# Altium PCB DAB_PCB.PcbDoc (part 1 of 3) (continued)
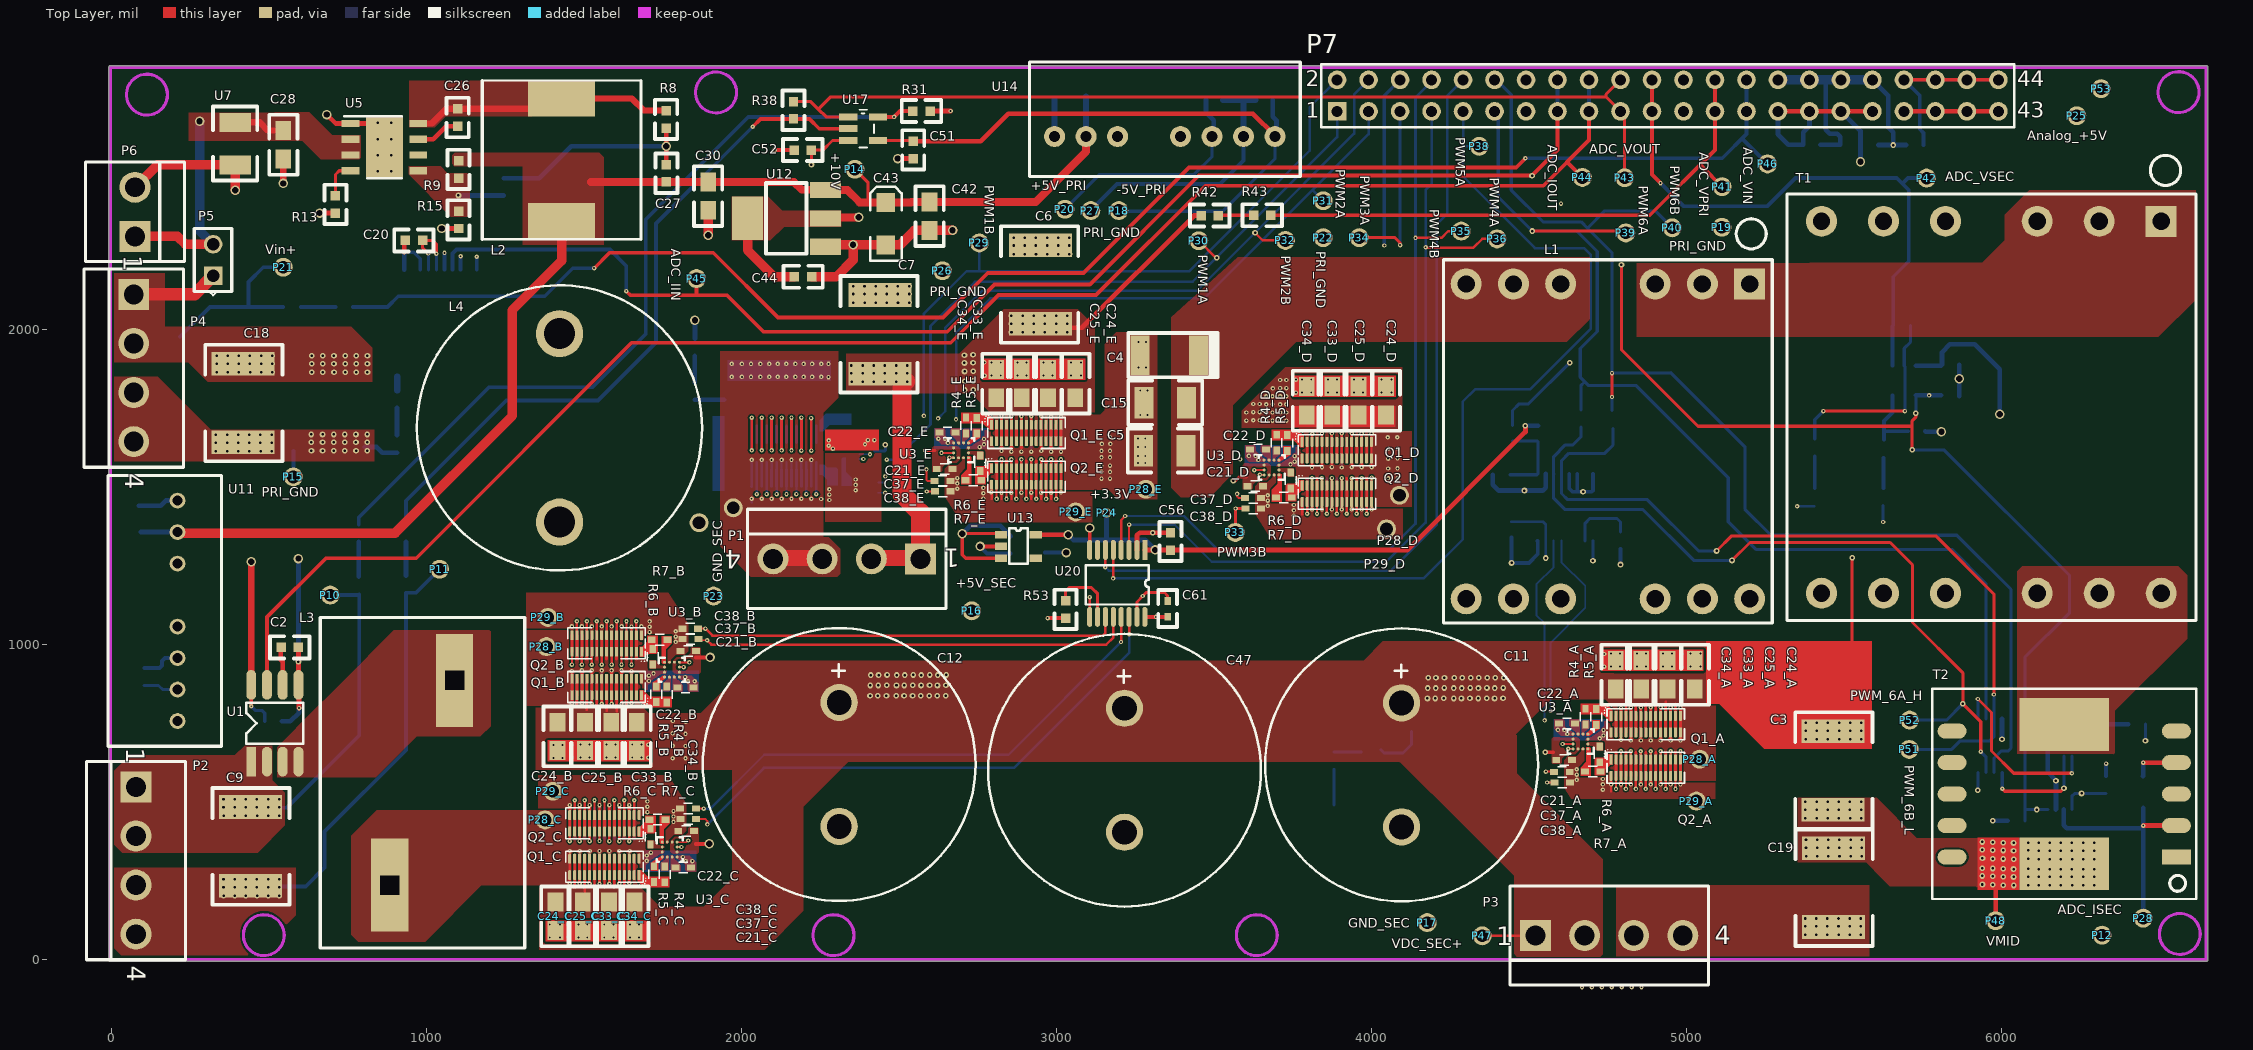
[diagram p0: Top Layer view]
## Components (designator, comment, footprint, x,y, rotation, side; value= is the part's Value field where it differs from the comment) (continued)
C34_F "1uF/100V/20%/0805/X7S" C0805 2238,1870 r270 bottom (schematic designator C34)
C35 "22uF/16V/20%/0805/X5R" C0805 86,1442 r270 bottom
C36 "22uF/10V/20%/0603/X5R" C0603 103,871 r90 bottom
C37_A "100pF/50V/5%/0402/C0G" C0402_FOR_DRIVER 4605,596 r180 top (schematic designator C37)
C37_B "100pF/50V/5%/0402/C0G" C0402_FOR_DRIVER 1837.92,1018.25 r0 top (schematic designator C37)
C37_C "100pF/50V/5%/0402/C0G" C0402_FOR_DRIVER 1830.92,447 r0 top (schematic designator C37)
C37_D "100pF/50V/5%/0402/C0G" C0402_FOR_DRIVER 3624,1466 r180 top (schematic designator C37)
C37_E "100pF/50V/5%/0402/C0G" C0402_FOR_DRIVER 2638,1520.5 r180 top (schematic designator C37)
C37_F "100pF/50V/5%/0402/C0G" C0402_FOR_DRIVER 2409.3,1758.6 r0 bottom (schematic designator C37)
C38_A "100pF/50V/5%/0402/C0G" C0402_FOR_DRIVER 4606,563 r180 top (schematic designator C38)
C38_B "100pF/50V/5%/0402/C0G" C0402_FOR_DRIVER 1836.92,1051.25 r0 top (schematic designator C38)
C38_C "100pF/50V/5%/0402/C0G" C0402_FOR_DRIVER 1829.92,480 r0 top (schematic designator C38)
C38_D "100pF/50V/5%/0402/C0G" C0402_FOR_DRIVER 3625,1433 r180 top (schematic designator C38)
C38_E "100pF/50V/5%/0402/C0G" C0402_FOR_DRIVER 2639,1487.5 r180 top (schematic designator C38)
C38_F "100pF/50V/5%/0402/C0G" C0402_FOR_DRIVER 2408,1483 r0 bottom (schematic designator C38)
C39 "22uF/10V/20%/0603/X5R" C0603 3632,2730 r0 bottom
C40 "22uF/10V/20%/0603/X5R" C0603 2963,1293 r90 bottom
C41 "22uF/16V/20%/0805/X5R" C0805 3093,2742 r180 bottom
C42 "22uF/16V/20%/0805/X5R" C0805 2597,2316 r90 top
C43 "10uF/16V/20%/Tantalum" "1206 _C" 2458,2405 r270 top
C44 "22uF/10V/20%/0603/X5R" C0603 2223,2169 r180 top
C45 "22uF/10V/20%/0603/X5R" C0603 2855,1290 r90 bottom
C46 "22uF/10V/20%/0603/X5R" C0603 3475,2730 r0 bottom
C47 "2.2mF/100V/22mm" VSN_P22 3216,798.7 r270 top
C51 "1uF/16V/20%/0603/X7R" C0603 2545,2544 r90 top
C52 "1uF/16V/20%/0603/X7R" C0603 2167,2571 r0 top
C53 "1uF/16V/20%/0603/X7R" C0603 4385,1540 r0 bottom
C54 "1uF/16V/20%/0603/X7R" C0603 5867,1789.25 r180 bottom
C55 "1uF/16V/20%/0603/X7R" C0603 5867,1889.25 r180 bottom
C56 "1uF/16V/20%/0603/X7R" C0603 3362,1356 r270 top
C57 "22uF/10V/20%/0603/X5R" C0603 5753,2587 r180 bottom
C58 "22uF/10V/20%/0603/X5R" C0603 5553,2586 r0 bottom
C59 "22uF/10V/20%/0603/X5R" C0603 5371,2588 r0 bottom
C60 "1uF/10V/0402/X5R/10%" C0402 4445,1391 r270 bottom
C61 "1uF/10V/0402/X5R/10%" C0402 3353,1139 r270 top
L1 "2.55uH/9.4A" PQ26/20 4751,1646 r0 top
L2 "68uH/3.2A" 68UH/3.2A 1428.48,2540 r0 top
L3 "VER2923-153" VER2923-153KL 986,562 r90 top
L4 "PCV-0-103-20L" PCV-0-103-20L 1422,1689 r270 top
P1 "644752_4/3.96mm" 644752-4P 2334.05,1273 r180 top
P2 "644752_4/3.96mm" 644752-4P 77,315 r270 top
P3 "644752_4/3.96mm" 644752-4P 4755,77 r0 top
P4 "644752_4/3.96mm" 644752-4P 70,1879 r270 top
P5 "Jumper/2.54" 2P_2.54MM 322,2222 r0 top
P6 "644752_2/3.96mm" 644752_2P 74,2374.95 r90 top
P7 "Header 22X2" HDR2X22 3891,2694 r0 top
P10 "Test_Point_0.5mm" Test_Point-0.5mm#1 694,1158 r180 top
P11 "Test_Point_0.5mm" Test_Point-0.5mm#1 1041,1240 r180 top
P12 "Test_Point_0.5mm" Test_Point-0.5mm#1 6320,78 r90 top
P14 "Test_Point_0.5mm" Test_Point-0.5mm#1 2360,2510 r90 top
P15 "Test_Point_0.5mm" Test_Point-0.5mm#1 577,1533 r90 top
P16 "Test_Point_0.5mm" Test_Point-0.5mm#1 2731,1108 r90 top
P17 "Test_Point_0.5mm" Test_Point-0.5mm#1 4177,118 r90 top
P18 "Test_Point_0.5mm" Test_Point-0.5mm#1 3198,2379 r90 top
P19 "Test_Point_0.5mm" Test_Point-0.5mm#1 5113,2326 r90 top
P20 "Test_Point_0.5mm" Test_Point-0.5mm#1 3027,2383 r90 top
P21 "Test_Point_0.5mm" Test_Point-0.5mm#1 545,2199 r90 top
P22 "Test_Point_0.5mm" Test_Point-0.5mm#1 3847,2293 r90 top
P23 "Test_Point_0.5mm" Test_Point-0.5mm#1 1911,1155 r90 top
P24 "Test_Point_0.5mm" Test_Point-0.5mm#2 3159,1419 r90 top
P25 "Test_Point_0.5mm" Test_Point-0.5mm#1 6240,2680 r90 top
P26 "Test_Point_0.5mm" Test_Point-0.5mm#1 2638,2188 r90 top
P27 "Test_Point_0.5mm" Test_Point-0.5mm#1 3109,2379 r90 top
P28 "Test_Point_0.5mm" Test_Point-0.5mm#1 6451,132 r90 top
P28_A "Test_Point_0.5mm" Test_Point-0.5mm#1 5042,637 r90 top (schematic designator P28)
P28_B "Test_Point_0.5mm" Test_Point-0.5mm#1 1380.57,994.35 r270 top (schematic designator P28)
P28_C "Test_Point_0.5mm" Test_Point-0.5mm#1 1376,444 r270 top (schematic designator P28)
P28_D "Test_Point_0.5mm" Test_Point-0.5mm#1 4089,1475 r90 top (schematic designator P28)
P28_E "Test_Point_0.5mm" Test_Point-0.5mm#1 3284,1494 r90 top (schematic designator P28)
P28_F "Test_Point_0.5mm" Test_Point-0.5mm#1 1865,1388 r90 bottom (schematic designator P28)
P29 "Test_Point_0.5mm" Test_Point-0.5mm#1 2755,2276 r90 top
P29_A "Test_Point_0.5mm" Test_Point-0.5mm#1 5032,504 r90 top (schematic designator P29)
P29_B "Test_Point_0.5mm" Test_Point-0.5mm#1 1385,1087 r270 top (schematic designator P29)
P29_C "Test_Point_0.5mm" Test_Point-0.5mm#1 1401,535 r270 top (schematic designator P29)
P29_D "Test_Point_0.5mm" Test_Point-0.5mm#1 4048,1368 r90 top (schematic designator P29)
P29_E "Test_Point_0.5mm" Test_Point-0.5mm#1 3061,1422 r90 top (schematic designator P29)
P29_F "Test_Point_0.5mm" Test_Point-0.5mm#1 1974,1435 r90 bottom (schematic designator P29)
P30 "Test_Point_0.5mm" Test_Point-0.5mm#1 3452,2283 r90 top
P31 "Test_Point_0.5mm" Test_Point-0.5mm#1 3847,2410 r90 top
P32 "Test_Point_0.5mm" Test_Point-0.5mm#1 3727,2284 r90 top
P33 "Test_Point_0.5mm" Test_Point-0.5mm#1 3568,1357 r90 top
P34 "Test_Point_0.5mm" Test_Point-0.5mm#1 3961.4,2293 r90 top
P35 "Test_Point_0.5mm" Test_Point-0.5mm#1 4285.38,2313.96 r90 top
P36 "Test_Point_0.5mm" Test_Point-0.5mm#1 4399,2289 r90 top
P38 "Test_Point_0.5mm" Test_Point-0.5mm#1 4342,2583 r90 top
P39 "Test_Point_0.5mm" Test_Point-0.5mm#1 4808,2308 r90 top
P40 "Test_Point_0.5mm" Test_Point-0.5mm#1 4955,2324 r90 top
P41 "Test_Point_0.5mm" Test_Point-0.5mm#1 5113.5,2454.78 r90 top
P42 "Test_Point_0.5mm" Test_Point-0.5mm#1 5763,2482 r90 top
P43 "Test_Point_0.5mm" Test_Point-0.5mm#1 4804,2483 r90 top
P44 "Test_Point_0.5mm" Test_Point-0.5mm#1 4670,2484 r90 top
P45 "Test_Point_0.5mm" Test_Point-0.5mm#1 1857,2163 r90 top
P46 "Test_Point_0.5mm" Test_Point-0.5mm#1 5258,2527 r90 top
P47 "Test_Point_0.5mm" Test_Point-0.5mm#1 4352,76 r90 top
P48 "Test_Point_0.5mm" Test_Point-0.5mm#1 5982,124 r180 top
P51 "Test_Point_0.5mm" Test_Point-0.5mm#1 5708,668 r180 top
P52 "Test_Point_0.5mm" Test_Point-0.5mm#1 5709,761 r180 top
P53 "Test_Point_0.5mm" Test_Point-0.5mm#1 6317,2766 r90 top
Q1_A "EPC2022" EPC2x40XL#1 4871.24,748.18 r0 top value="100V 60A 3.2mE" (schematic designator Q1)
Q1_B "EPC2022" EPC2x40XL#1 1571.69,866.07 r180 top value="100V 60A 3.2mE" (schematic designator Q1)
Q1_C "EPC2022" EPC2x40XL#1 1564.69,294.82 r180 top value="100V 60A 3.2mE" (schematic designator Q1)
Q1_D "EPC2022" EPC2x40XL#1 3890.24,1618.18 r0 top value="100V 60A 3.2mE" (schematic designator Q1)
Q1_E "EPC2022" EPC2x40XL#1 2904.24,1672.68 r0 top value="100V 60A 3.2mE" (schematic designator Q1)
Q1_F "EPC2022" EPC2x40XL#2 2142.76,1668.18 r180 bottom value="100V 60A 3.2mE" (schematic designator Q1)
Q2_A "EPC2022" EPC2x40XL#1 4871.24,609.82 r0 top value="100V 60A 3.2mE" (schematic designator Q2)
Q2_B "EPC2022" EPC2x40XL#1 1571.69,1004.43 r180 top value="100V 60A 3.2mE" (schematic designator Q2)
Q2_C "EPC2022" EPC2x40XL#1 1564.69,433.18 r180 top value="100V 60A 3.2mE" (schematic designator Q2)
Q2_D "EPC2022" EPC2x40XL#1 3890.24,1479.82 r0 top value="100V 60A 3.2mE" (schematic designator Q2)
Q2_E "EPC2022" EPC2x40XL#1 2904.24,1534.32 r0 top value="100V 60A 3.2mE" (schematic designator Q2)
Q2_F "EPC2022" EPC2x40XL#2 2142.76,1529.82 r180 bottom value="100V 60A 3.2mE" (schematic designator Q2)
R1 "100kohm/0603/0.1W/1%" R0603 906.25,1752.75 r90 bottom
R2 "11ohms/0805/0.5%/0.125" R0805 6450,577 r270 bottom
R3 "100kohm/0603/0.1W/1%" R0603 1851,1833 r270 bottom
R4_A "R0402" R0402_FOR_DRIVER 4680,772 r90 top (schematic designator R4)
R4_B "R0402" R0402_FOR_DRIVER 1762.92,842.25 r270 top (schematic designator R4)
R4_C "R0402" R0402_FOR_DRIVER 1755.92,271 r270 top (schematic designator R4)
R4_D "R0402" R0402_FOR_DRIVER 3699,1642 r90 top (schematic designator R4)
R4_E "R0402" R0402_FOR_DRIVER 2713,1696.5 r90 top (schematic designator R4)
R4_F "R0402" R0402_FOR_DRIVER 2334,1692 r90 bottom (schematic designator R4)
R5_A "R0402" R0402_FOR_DRIVER 4714,771 r90 top (schematic designator R5)
R5_B "R0402" R0402_FOR_DRIVER 1728.92,843.25 r270 top (schematic designator R5)
R5_C "R0402" R0402_FOR_DRIVER 1721.92,272 r270 top (schematic designator R5)
R5_D "R0402" R0402_FOR_DRIVER 3733,1641 r90 top (schematic designator R5)
R5_E "R0402" R0402_FOR_DRIVER 2747,1695.5 r90 top (schematic designator R5)
R5_F "R0402" R0402_FOR_DRIVER 2300,1691 r90 bottom (schematic designator R5)
R6_A "R0402" R0402_FOR_DRIVER 4725,652 r270 top (schematic designator R6)
R6_B "R0402" R0402_FOR_DRIVER 1717.92,962.25 r90 top (schematic designator R6)
R6_C "R0402" R0402_FOR_DRIVER 1710.92,391 r90 top (schematic designator R6)
R6_D "R0402" R0402_FOR_DRIVER 3744,1522 r270 top (schematic designator R6)
R6_E "R0402" R0402_FOR_DRIVER 2758,1576.5 r270 top (schematic designator R6)
R6_F "R0402" R0402_FOR_DRIVER 2289,1572 r270 bottom (schematic designator R6)
R7_A "R0402" R0402_FOR_DRIVER 4703,598 r0 top (schematic designator R7)
R7_B "R0402" R0402_FOR_DRIVER 1739.92,1016.25 r180 top (schematic designator R7)
R7_C "R0402" R0402_FOR_DRIVER 1732.92,445 r180 top (schematic designator R7)
R7_D "R0402" R0402_FOR_DRIVER 3722,1468 r0 top (schematic designator R7)
R7_E "R0402" R0402_FOR_DRIVER 2736,1522.5 r0 top (schematic designator R7)
R7_F "R0402" R0402_FOR_DRIVER 2311,1518 r180 bottom (schematic designator R7)
R8 "249kohm/0603/0.1W/1%" R0603 1760.48,2696 r270 top
R9 "732kohm/0603/0.1W/1%" R0603 1101.48,2482 r90 top
R13 "82.5kohm/0603/0.1W/1%" R0603 710.48,2371 r90 top
R15 "100kohm/0603/0.1W/1%" R0603 1101.48,2322 r90 top
R20 "0ohm/0603/0.1W" R0603 4665,1746 r270 bottom
R21 "0ohm/0603/0.1W" R0603 4764,1744 r270 bottom
R31 "10k/0603/0.125W/1%" R0603 2544,2695 r0 top
R32 "120kohm/1%/0.1w/0603" R0603 545,2073 r0 bottom
R33 "120kohm/1%/0.1w/0603" R0603 711,2073 r0 bottom
R36 "120kohm/1%/0.1w/0603" R0603 786.26,1160.5 r90 bottom
R37 "120kohm/1%/0.1w/0603" R0603 784.5,1326.99 r90 bottom
R38 "10k/0603/0.125W/1%" R0603 2165,2670 r90 top
R40 "120kohm/1%/0.1w/0603" R0603 934.26,1381.5 r270 bottom
R41 "120kohm/1%/0.1w/0603" R0603 934.26,1220.5 r270 bottom
R42 "120kohm/1%/0.1w/0603" R0603 3459,2363 r0 top
R43 "120kohm/1%/0.1w/0603" R0603 3626,2364 r0 top
R44 "0ohm/0402/0.063W" R0402 4448,1647 r90 bottom
R45 "0ohm/0402/0.063W" R0402 4529,1646 r90 bottom
R46 "4.7kOhms/0.1w/5%/0603" R0603 4791,1359 r270 bottom
R47 "10k/0603/0.125W/1%" R0603 5704,1678.25 r0 bottom
R48 "120kohm/1%/0.1w/0603" R0603 5626,1443 r90 bottom
R49 "120kohm/1%/0.1w/0603" R0603 5628,1596 r90 bottom
R50 "10k/0603/0.125W/1%" R0603 5712,2013.25 r180 bottom
R51 "120kohm/1%/0.1w/0603" R0603 5408,1654 r270 bottom
R52 "120kohm/1%/0.1w/0603" R0603 5408,1497 r270 bottom
R53 "4.7kOhms/0.1w/5%/0603" R0603 3029,1140 r270 top
R54 "100kohm/0603/0.1W/1%" R0603 3971,659 r0 bottom
R55 "100kohm/0603/0.1W/1%" R0603 906.25,1609.75 r90 bottom
R56 "100kohm/0603/0.1W/1%" R0603 1852,1973 r270 bottom
R57 "100kohm/0603/0.1W/1%" R0603 3881,605 r90 bottom
T1 "Transformer/PQ32/30" PQ32/30 5968.63,1754.45 r0 top
T2 "35A/50kHz_500kHz" 673-PB0026NLT 6200,526 r180 top
U1 "+-20A_100mv/A/0.8%/120kHz" SOIC8 518,751 r270 top
U2 "20A/200mv_A/0.5%/Unidirection/5Vcc/1MHz" CQ330E 1044,2041 r270 bottom
U3_A "LMG1205YFXR" YFX0012AHAP 4664,693 r180 top value=Value (schematic designator U3)
U3_B "LMG1205YFXR" YFX0012AHAP 1778.92,921.25 r0 top value=Value (schematic designator U3)
U3_C "LMG1205YFXR" YFX0012AHAP 1771.92,350 r0 top value=Value (schematic designator U3)
U3_D "LMG1205YFXR" YFX0012AHAP 3683,1563 r180 top value=Value (schematic designator U3)
U3_E "LMG1205YFXR" YFX0012AHAP 2697,1617.5 r180 top value=Value (schematic designator U3)
U3_F "LMG1205YFXR" YFX0012AHAP 2350,1613 r0 bottom value=Value (schematic designator U3)
U5 "LM5164DDAT" DDA0008E_N 866.13,2580.41 r0 top value=Value
U6 "Dual_Supply/8ns/Comparator" MSOP8 6186,562 r90 bottom
U7 "10uF/75V/10%/X7R/4.5A" C1210 392,2524 r90 top
U9 "74HCT2G08DP" MSOP8 5964,680 r270 bottom
U11 "12TO5/2W/Islation" SPAN02A-05 209,1458 r270 top
U12 "5V/800mA/Linear" SOT-223 2143.02,2354 r90 top
U13 "5V_3.3V/300mA/Linear" SOT23-5 2993.06,1666.73 r270 top
U14 "ITX1205S" ITX1205S 2994,2614 r0 top
U17 "LMV641MF/NOPB" SOT-23-5 2386,2639 r0 top
U18 "ISO7740FDBQR" DBQ0016A 4616,1437 r270 bottom
U19 "LMV641MF/NOPB" SOT-23-5 5692,1839.25 r270 bottom
U20 "ISO7740FDBQR" DBQ0016A 3193,1195 r270 top

## Footprints (in the part's own frame and the unit in brackets; to place one, negate y for a bottom-side part, rotate by r counter-clockwise, add the part's x,y. Pads: shape width x height; smd on the part's side, far side on the other; paste and mask are expansions set on the pad)
2P_2.54MM [mm]
  rect 1.5x1.5 hole 1: 1(0,-1.27)
  round 1.5 hole 1: 2(0,1.27)
  silkscreen extent -1.52,-2.86 1.5,2.54
68UH/3.2A [mm]
  rect 5.4x2.9 smd: 1(0,4.95) 2(0,-4.95)
  silkscreen extent -6.4,-6.4 6.4,6.4, body extent -6.13,-6.38 5.87,5.62, height 9.26
673-PB0026NLT [mm]
  rect 2.35x1.2 smd: 1(-9.042,5.08)
  oval 2.35x1.2 smd: 2(-9.042,2.54) 3(-9.042,0) 4(-9.042,-2.54) 5(-9.042,-5.08) 6(9.043,-5.08) 7(9.043,-2.54) 8(9.043,0) 9(9.043,2.54) 10(9.043,5.08)
  rect 7.24x4.25 smd: 11(0,5.62) 12(0,-5.62)
  silkscreen extent -10.65,-8.5 10.65,8.46
"1206 _C" [mil]
  rect 60x60 smd: 1(0,0) 2(135,0)
  silkscreen extent -50,-50 185,50
644752-4P [mm] "Pitch 3.96mm,4 positions"
  rect 2.5x2.5 hole 1.6: 1(-5.94,0)
  round 2.5 hole 1.6: 2(-1.98,0) 3(1.98,0) 4(5.94,0)
  silkscreen extent -8,-4 8,4, body extent -7.92,-3.81 7.92,3.81, height 10.16
644752_2P [mm]
  rect 2.5x2.5 hole 1.6: 1(-1.98,0)
  round 2.5 hole 1.6: 2(1.98,0)
  silkscreen extent -4.02,-4 4.02,4, body extent -3.99,-4.67 3.94,2.95, height 10.16
C0402 [mil]
  rect 25x20 smd: 1(0,0) 2(50,0)
  silkscreen extent -35,-30 82,30, body extent 5,-10 45,10, height 19
C0402_FOR_DRIVER [mil]
  rect 25x20 smd: 1(-25,0) 2(25,0)
  silkscreen extent -14,-17 14,17, body extent -20,-10 20,10, height 14
C0603 [mil]
  rect 30x30 smd: 1(0,0) 2(55,0)
  silkscreen extent -35,-35 90,35, body extent -6,-16 56,16
C0805 [mil]
  rect 60x50 smd: 1(0,0) 2(90,0)
  silkscreen extent -50,-45 140,45, body extent 5,-25 85,25, height 24
C1210 [mil]
  rect 60x100 smd: 1(0,0) 2(135,0)
  silkscreen extent -50,-70 185,70, body extent 7,-49 133,49, height 29
C1812 [mil]
  rect 60x125 smd: 1(-92.5,0) 2(92.5,0)
  silkscreen extent -130,-70 154,70, body extent -89,-63 89,63, height 47
C2220 [mil]
  rect 75x200 smd: 1(0,0) 2(250,0)
  silkscreen extent -60,-125 310,120, body extent 13,-98 237,98, height 88
CQ330E [mm]
  rect 1.42x1.65 smd: 1(-3.81,2.925) 8(-3.81,-2.925)
  rect 1.42x0.35 smd: 2(-3.81,1.625) 3(-3.81,0.975) 4(-3.81,0.325) 5(-3.81,-0.325) 6(-3.81,-0.975) 7(-3.81,-1.625)
  rect 1.42x3.6 smd: 9(3.81,-1.95) 10(3.81,1.95)
  silkscreen extent -2.68,-4.15 2.85,4.1
DBQ0016A [mm]
  rect 1.6x0.41 smd mask+0.05: 1(-2.7,2.223)
  oval 1.6x0.41 smd mask+0.05: 2(-2.7,1.588) 3(-2.7,0.953) 4(-2.7,0.318) 5(-2.7,-0.317) 6(-2.7,-0.952) 7(-2.7,-1.587) 8(-2.7,-2.222) 9(2.7,-2.223) 10(2.7,-1.588) 11(2.7,-0.953) 12(2.7,-0.318) 13(2.7,0.317) 14(2.7,0.952) 15(2.7,1.587) 16(2.7,2.222)
  silkscreen extent -1.48,-2.54 1.7,2.54, body extent -2.91,-2.45 3.11,2.45, height 0.62
DDA0008E_N [mm]
  rect 1.45x0.6 smd paste+0 mask+0: 1(-2.725,1.905) 2(-2.725,0.635) 3(-2.725,-0.635) 4(-2.725,-1.905) 5(2.725,-1.905) 6(2.725,-0.635) 7(2.725,0.635) 8(2.725,1.905)
  rect 2.95x4.9 smd paste-2.437 mask-2.438: 9(0,0)
  round 0.5 hole 0.203 mask-0.241: V(-0.55,-1.95) V(-0.55,-0.65) V(-0.55,0.65) V(-0.55,1.95) V(0.55,-1.95) V(0.55,-0.65) V(0.55,0.65) V(0.55,1.95)
  silkscreen extent -3.22,-2.5 1.4,2.5, body extent -3,-2.45 3,2.45, height 1.57
EPC2x40XL#1 [mm] "Gen 4 XL Die"
  rrect50% 0.241x0.794 smd paste+0 mask-0.274: 1(-2.8,0.665) 2(-2.8,-0.665) 3(-2.4,0.665) 4(-2.4,-0.665) 5(-2,0.665) 7(-1.6,0.665) 8(-1.6,-0.665) 10(-1.2,-0.665) 11(-0.8,0.665) 12(-0.8,-0.665) 13(-0.4,0.665) 14(-0.4,-0.665) 15(0,0.665) 16(0,-0.665) 17(0.4,0.665) 18(0.4,-0.665) 19(0.8,0.665) 20(0.8,-0.665) 21(1.2,0.665) 22(1.2,-0.665) 23(1.6,0.665) 24(1.6,-0.665) 25(2,0.665) 26(2,-0.665) 27(2.4,0.665) 28(2.4,-0.665) 29(2.8,0.665) 30(2.8,-0.665)
  rrect50% 0.241x0.794 smd paste+0 mask-0.24: 6(-2,-0.665)
  rrect50% 0.241x0.795 smd paste+0 mask-0.274: 9(-1.2,0.665)
  oval 0.18x0.7 on Top Solder paste-0.18 mask+0: ""(-2.8,0.665) ""(-2.8,-0.665) ""(-2.4,0.665) ""(-2.4,-0.665) ""(-2,0.665) ""(-2,-0.665) ""(-1.6,0.665) ""(-1.6,-0.665) ""(-1.2,0.665) ""(-1.2,-0.665) ""(-0.8,0.665) ""(-0.8,-0.665) ""(-0.4,0.665) ""(-0.4,-0.665) ""(0,0.665) ""(0,-0.665) ""(0.4,0.665) ""(0.4,-0.665) ""(0.8,0.665) ""(0.8,-0.665) ""(1.2,0.665) ""(1.2,-0.665) ""(1.6,0.665) ""(1.6,-0.665) ""(2,0.665) ""(2,-0.665) ""(2.4,0.665) ""(2.4,-0.665) ""(2.8,0.665) ""(2.8,-0.665)
  silkscreen extent -3.33,-1.25 3.13,1.45, body extent -3.03,-1.15 3.03,1.15, height 0.85
EPC2x40XL#2 [mm] "Gen 4 XL Die"
  rrect50% 0.241x0.794 smd paste+0 mask-0.274: 1(-2.8,0.665) 2(-2.8,-0.665) 3(-2.4,0.665) 4(-2.4,-0.665) 5(-2,0.665) 7(-1.6,0.665) 8(-1.6,-0.665) 10(-1.2,-0.665) 11(-0.8,0.665) 12(-0.8,-0.665) 13(-0.4,0.665) 14(-0.4,-0.665) 15(0,0.665) 16(0,-0.665) 17(0.4,0.665) 18(0.4,-0.665) 19(0.8,0.665) 20(0.8,-0.665) 21(1.2,0.665) 22(1.2,-0.665) 23(1.6,0.665) 24(1.6,-0.665) 25(2,0.665) 26(2,-0.665) 27(2.4,0.665) 28(2.4,-0.665) 29(2.8,0.665) 30(2.8,-0.665)
  rrect50% 0.241x0.794 smd paste+0 mask-0.24: 6(-2,-0.665)
  rrect50% 0.241x0.795 smd paste+0 mask-0.274: 9(-1.2,0.665)
  oval 0.18x0.7 on Bottom Solder paste-0.18 mask+0: ""(-2.8,0.665) ""(-2.8,-0.665) ""(-2.4,0.665) ""(-2.4,-0.665) ""(-2,0.665) ""(-2,-0.665) ""(-1.6,0.665) ""(-1.6,-0.665) ""(-1.2,0.665) ""(-1.2,-0.665) ""(-0.8,0.665) ""(-0.8,-0.665) ""(-0.4,0.665) ""(-0.4,-0.665) ""(0,0.665) ""(0,-0.665) ""(0.4,0.665) ""(0.4,-0.665) ""(0.8,0.665) ""(0.8,-0.665) ""(1.2,0.665) ""(1.2,-0.665) ""(1.6,0.665) ""(1.6,-0.665) ""(2,0.665) ""(2,-0.665) ""(2.4,0.665) ""(2.4,-0.665) ""(2.8,0.665) ""(2.8,-0.665)
  silkscreen extent -3.33,-1.25 3.13,1.45, body extent -3.03,-1.15 3.03,1.15, height 0.85
HDR2X22 [mm] "Connector; Header; 22x2 Position"
  rect 1.5x1.5 hole 0.9: 1(0,0)
  round 1.5 hole 0.9: 2(0,2.54) 3(2.54,0) 4(2.54,2.54) 5(5.08,0) 6(5.08,2.54) 7(7.62,0) 8(7.62,2.54) 9(10.16,0) 10(10.16,2.54) 11(12.7,0) 12(12.7,2.54) 13(15.24,0) 14(15.24,2.54) 15(17.78,0) 16(17.78,2.54) 17(20.32,0) 18(20.32,2.54) 19(22.86,0) 20(22.86,2.54) 21(25.4,0) 22(25.4,2.54) 23(27.94,0) 24(27.94,2.54) 25(30.48,0) 26(30.48,2.54) 27(33.02,0) 28(33.02,2.54) 29(35.56,0) 30(35.56,2.54) 31(38.1,0) 32(38.1,2.54) 33(40.64,0) 34(40.64,2.54) 35(43.18,0) 36(43.18,2.54) 37(45.72,0) 38(45.72,2.54) 39(48.26,0) 40(48.26,2.54) 41(50.8,0) 42(50.8,2.54) 43(53.34,0) 44(53.34,2.54)
  silkscreen extent -1.27,-1.27 54.61,3.81, body extent -1.02,-0.22 55.37,12.67, height 2.48
ITX1205S [mm]
  round 1.7 hole 0.9: 1(0,0) 2(2.54,0) 3(5.08,0) 5(10.16,0) 6(12.7,0) 7(15.24,0) 8(17.78,0)
  silkscreen extent -2.03,-3.23 19.84,6
MSOP8 [mil]
  rrect50% 72x15 smd mask+4: 1(-85,38.39) 2(-85,12.8) 3(-85,-12.8) 4(-85,-38.39) 5(85,-38.39) 6(85,-12.8) 7(85,12.8) 8(85,38.39)
  silkscreen extent -63,-60 63,63
PCV-0-103-20L [mm]
  round 3.8 hole 2.5: 1(-7.6,0) 2(7.6,0)
  silkscreen extent -11.5,-11.5 11.5,11.5, body extent -9.55,-9.63 9.55,9.47, height 45.7
PQ26/20 [mm]
  round 2.5 hole 1.4: 1(3.81,12.7) 1(7.62,12.7) 2(-11.43,12.7) 2(-7.62,12.7) 2(-3.81,12.7) 3(-11.43,-12.7) 3(-7.62,-12.7) 3(-3.81,-12.7) 4(3.81,-12.7) 4(7.62,-12.7) 4(11.43,-12.7)
  rect 2.5x2.5 hole 1.4: 1(11.43,12.7)
  silkscreen extent -13.25,-14.65 13.25,17.95
PQ32/30 [mm]
  round 2.5 hole 1.4: 1(3.7,15) 1(8.7,15) 2(-13.7,15) 2(-8.7,15) 2(-3.7,15) 3(-13.7,-15) 3(-8.7,-15) 3(-3.7,-15) 4(3.7,-15) 4(8.7,-15) 4(13.7,-15)
  rect 2.5x2.5 hole 1.4: 1(13.7,15)
  silkscreen extent -16.48,-17.2 16.5,20.31
R0402 [mil]
  rect 25x20 smd: 1(0,0) 2(50,0)
  silkscreen extent -35,-30 82,30, body extent 5,-10 45,10, height 14
R0402_FOR_DRIVER [mil]
  rect 25x20 smd: 1(-25,0) 2(25,0)
  silkscreen extent -14,-17 14,17, body extent -20,-10 20,10, height 14
R0603 [mil]
  rect 30x30 smd: 1(0,0) 2(55,0)
  silkscreen extent -35,-35 90,35, body extent -6,-16 56,16, height 18
R0805 [mil]
  rect 60x50 smd: 1(0,0) 2(90,0)
  silkscreen extent -50,-45 140,45, body extent 1,-25 79,25, height 18
SOIC8 [mm]
  rect 2.4x0.8 smd: 1(3.1,-1.905)
  oval 2.4x0.8 smd: 2(3.1,-0.635) 3(3.1,0.635) 4(3.1,1.905) 5(-3.1,1.905) 6(-3.1,0.635) 7(-3.1,-0.635) 8(-3.1,-1.905)
  silkscreen extent -1.65,-2.3 1.65,2.3, body extent -3,-2.45 3,2.45, height 1.7
SOT23-5 [mm]
  rect 0.6x1 smd: 1(8.05,-4.3) 2(9,-4.3) 3(9.95,-4.3) 4(9.95,-1.5) 5(8.05,-1.5)
  silkscreen extent 7.55,-3.65 10.4,-2.15, body extent 7.57,-4.32 10.47,-1.52
SOT-23-5 [mil]
  rect 58x22 smd: 1(-47,37.4) 2(-47,0) 3(-47,-37.4) 4(47,-37.4) 5(47,37.4)
  silkscreen extent -12,-60 34,60, body extent -60,-58 52,57, height 41
SOT-223 [mm]
  rect 1.3x2.5 smd: 1(-2.286,-3.15) 2(0,-3.15) 3(2.286,-3.15)
  rect 3.5x2.5 smd: 2(0,3.15)
  silkscreen extent -2.85,-1.6 2.85,1.65, body extent -3.25,-3.25 3.25,3.75, height 1.65
SPAN02A-05 [mil]
  round 50 hole 32: 1(0,0) 2(100,0) 3(200,0) 5(400,0) 6(500,0) 7(600,0) 8(700,0)
  silkscreen extent -80,-221 780,140
Test_Point-0.5mm#1 [mil] "Test point pad"
  round 60 hole 40.16: 1(0,0)
Test_Point-0.5mm#2 [mil] "Test point pad"
  round 31.5 hole 19.68: 1(0,0)
VER2923-153KL [mm]
  rect 7.5x3 hole 1.54 square: 1(-8.255,2.615) 2(8.255,-2.615)
  silkscreen extent -13.33,-8.27 13.33,8.23, body extent -13.64,-8.54 13.79,8.43, height 22.74
VSN_P22 [mm]
  round 3 hole 2: 1(0,0) 2(10,0)
  silkscreen extent -6,-11 16,11, body extent -6.32,-10.49 15.67,11.5, height 42.03
YFX0012AHAP [mm]
  round 0.23 smd paste-0.102 mask+0.038: A1(-0.6,0.6) A2(-0.2,0.6) A3(0.2,0.6) A4(0.6,0.6) B1(-0.6,0.2) B4(0.6,0.2) C1(-0.6,-0.2) C4(0.6,-0.2) D1(-0.6,-0.6) D2(-0.2,-0.6) D3(0.2,-0.6) D4(0.6,-0.6)
  silkscreen extent -1.05,-0.97 1.05,0.97, body extent -0.95,-0.88 0.95,0.88, height 3

## Part data
C1 C20 C23 C31 C32 C51 C52 C53 C54 C55 C56: "1276-6524-1-ND", =1uF/16V/0603
C2: "311-1080-1-ND", =1nF/50V
C3 C13 C14 C19: "C5750X7S2A106K230KB", =10uF/100V/5A
C4: "445-15480-1-ND", =100nF/4A/30PPM/C0G
C5 C15: "445-15461-1-ND", =47nF/250V/30PPM
C6 C7: "445-C5750X7S2A226M280KBCT-ND", =22uF/100V/6.2A
C8 C9: "445-7775-1-ND", =2.2uF/250V/4A
C11 C12 C47: "565-2707-ND", =2.2mF/100V
C16 C17 C18: "CKG57NX7S2A226M500JH", =22uF/3.7A
C21_A C21_B C21_C C21_D C21_E C21_F C60 C61: "311-1439-1-ND", =1uF/10V/0402
C22_A C22_B C22_C C22_D C22_E C22_F: "GRM155R62A104KE14D", =100nF/100V
C24_A C24_B C24_C C24_D C24_E C24_F C25_A C25_B C25_C C25_D C25_E C25_F C33_A C33_B C33_C C33_D C33_E C33_F C34_A C34_B C34_C C34_D C34_E C34_F: "445-5206-1-ND", =1uF/100V/0805
C26 C27: "399-7880-1-ND", =2.2nF/100V
C28: "490-3326-1-ND", =0.47uF/100V/0805
C29: "399-16021-1-ND", =47pF/100V
C30 C35 C41 C42: "490-9952-1-ND", =22uF/16V/0805
C36 C39 C40 C44 C45 C46 C57 C58 C59: "1276-6504-1-ND", =22uF/10V/0603
C37_A C37_B C37_C C37_D C37_E C37_F C38_A C38_B C38_C C38_D C38_E C38_F: "311-1024-1-ND", =100pF/0402
C43: "478-3451-1-ND", =10uF
L1: "445-180846-ND/495-75904-ND", =2.55uH/9.4A
L2: "732-1247-1-ND", =68uH/3.2A
L3: "VER2923-153KL", =15uH/20A
P1 P2 P3 P4: "A24166-ND", =644752_4P
P6: "A24164-ND", =644752_2P
P7: "Header, 22-Pin, Dual row", LatestRevisionDate=17-Jul-2002, LatestRevisionNote="Re-released for DXP Platform.", Publisher="Altium Limited"
Q1_A Q1_B Q1_C Q1_D Q1_E Q1_F Q2_A Q2_B Q2_C Q2_D Q2_E Q2_F: "100V 60A 3.2mE", Supplier Part Number 1=917-1133-2-ND, MFG=EPC, MFGPN=EPC2022, PCBfootprint=eGaNPAK, Supplier 1=Digi-Key, Supplier 2=Digi-Key, Supplier 3=Digi-Key, Supplier Part Number 2=917-1133-1-ND, Supplier Part Number 3=917-1133-6-ND
R1 R3 R15 R54 R55 R56 R57: "541-100KHCT-ND", =100kohm/1%
R2: "P123887CT-ND", =11ohms
R4_A R4_B R4_C R4_D R4_E R4_F R5_A R5_B R5_C R5_D R5_E R5_F R6_A R6_B R6_C R6_D R6_E R6_F R7_A R7_B R7_C R7_D R7_E R7_F: "Resistor"
R8: "541-249KHCT-ND", =249kohm/1%
R9: "311-732KHRCT-ND", =732kohm/1%
R13: "541-82.5KHCT-ND", =82.5kohm/1%
R20 R21: "P0.0GCT-ND", =NC
R31 R38 R47 R50: "RNCP0603FTD10K0CT-ND", =10k/1%/0603
R32 R33 R36 R37 R40 R41 R42 R43 R48 R49 R51 R52: "YAG3352CT-ND", =120k/0603/1%
R44 R45: "311-0.0JRCT-ND", =0ohm/0402
R46 R53: "311-4.7KGRCT-ND", =4.7kOhms
T1: "445-180849-ND;;495-5330-ND"
T2: "673-PB0026NLT", =100:1
U1: "ACS724LLCTR-20AB-T", =20A_100mv/A
U2: "974-1138-1-ND", =20A/1MHZ
U3_A U3_B U3_C U3_D U3_E U3_F: "No Description Available", Manufacturer="Texas Instruments", Copyright="Copyright (C) 2018 Accelerated Designs. All rights reserved", PartNumber=LMG1205YFXR, RefDes=RefDes, Type=DEV
U5: "296-53428-1-ND", Manufacturer="Texas Instruments", Copyright="Copyright (C) 2018 Accelerated Designs. All rights reserved", PartNumber=LM5164DDAT, RefDes=RefDes, Type=DEV
U6: "LT1713CMS8#TRPBFCT-ND", =Compa/8ns
U7: "445-C3225X7R1N106K250ACCT-ND", =10uF/75V/4.5A
U9: "1727-5969-2-ND", =AND_GATE_TTL
U11: "1866-4765-ND"
U12: "LM1117MPX-5.0/NOPBCT-ND"
U13: "576-4764-1-ND"
U14: "1470-2533-5-ND", =10V_TO_+/-5V/6W
U17 U19: "296-48929-1-ND"
U18 U20: "296-48139-1-ND"
L4: =10uH
P5: =Jumper

## Via types
v1: diameter 14, hole 6, Top Layer to Bottom Layer, tented both sides, 440 vias
v2: diameter 18, hole 8, Top Layer to Bottom Layer, 287 vias
v3: diameter 14, hole 6, Top Layer to Bottom Layer, 148 vias
v4: diameter 18, hole 8, Top Layer to Bottom Layer, tented both sides, 136 vias
v5: diameter 30, hole 20, Top Layer to Bottom Layer, tented both sides, 27 vias
v6: diameter 18, hole 8, Top Layer to Bottom Layer, tented top, 1 vias

## Nets (pads, with @x,y where several pads share a name; then routed paths per layer and width w, separated by ;. In a path a pad name is that pad's centre, name@x,y a point inside that pad or via, vN(x,y) a via of type N, cw(c..) or ccw(c..) an arc to the next point about the centre after c; other vN are vias at no path point)
+5V_PRI_1: C1.2 C20.2 C21_D.2 C21_E.2 C21_F.2 C23.1 C32.1 C45.2 C46.1 C52.2 C55.2 P20.1 R44.2 U1.8 U2.3 U2.4 U3_D.A3 U3_D.C4 U3_E.A3 U3_E.C4 U3_F.A3 U3_F.C4 U6.1 U9.8 U13.1 U13.3 U14.6 U17.3 U19.3 | length 3336.4
  Top Layer w10: v1(443,805) U1.8@443,873.05 ; v1(1005.39,2242.61) 987,2261 C20.2@987,2284 1019,2284 1031,2272 v1(1031,2242) ; v4(2222,2525) C52.2@2222,2571 2258,2571 2288.6,2601.6 U17.3@2339,2601.6 ; v1(2583,1617) 2614,1617 ; U13.3@2823.76,1275 2712,1275 2701,1286 v5(2701,1353) 2820.57,1353 U13.1@2823.76,1349.8 ; v4(3561.8,1520.8) 3567.8,1520.8 3580,1533 3603,1533
  Top Layer w20: U1.8@443,873.05 v5(443,1264)
  Bottom Layer w10: v1(443,805) 456,792 477,792 486,783 C1.2@486,757 ; v1(1005.39,2242.61) 1005.61,2242.61 U2.3@1005.61,2191 ; v1(1031,2242) 1031.2,2241.8 U2.4@1031.2,2191 ; 2422,1615.5 2454.5,1615.5 2456.6,1617.6 v4(2456.6,1634.9) ; P20.1@3026.5,2383.5 3137,2494 3438,2494 3494,2550 U14.6@3494,2614 ; R44.2@4448,1697 4448,1744 4469,1765 4499,1765 v4(4630,1896) ; v4(5925.61,538.61) U9.8@5925.61,595 ; U6.1@6224.38,477 6224.38,519.38 6233,528 v4(6255,528) C32.1@6333,528 ; v4(6458,695) C23.1@6458,748
  Bottom Layer w15: v5(2701,1353) 2726,1378 2822,1378 C45.2@2855,1345 ; C46.1@3475,2730 3475,2689 3499,2665 U14.6@3499,2619 ; U19.3@5729.41,1886.25 C55.2@5809,1886.25 ; C55.2@5812,1889.25 5812,1929.25 5837,1954.25 5916,1954.25 5995,1875.25 v5(5995,1732)
+5V_SEC: C21_A.2 C21_B.2 C21_C.2 C36.2 C60.2 C61.2 P16.1 R46.2 R53.2 U3_A.A3 U3_A.C4 U3_B.A3 U3_B.C4 U3_C.A3 U3_C.C4 U11.6 U18.16 U20.16 | length 638.7
  Top Layer w12: 1855,368 v5(1897,368) ; 1855,960 v5(1900,960) ; v1(2972,1085) R53.2@3029,1085 ; U20.16@3280.5,1088.7 v1(3316,1088.7) C61.2@3353.7,1088.7 ; v4(4552,659) 4577,659
  Bottom Layer w12: C36.2@103,926 152,926 160,934 160,949 169,958 U11.6@209,958 ; C60.2@4445,1341 v4(4445,1260) 4500,1260 4528.5,1288.5 U18.16@4528.5,1330.7 U18.16@4527.8,1330 ; v4(4791,1255) R46.2@4791,1304
+10V: C27.2 C30.2 C35.2 C41.1 C42.2 C43.1 L2.2 P14.1 R9.2 U11.2 U12.3 U14.2 | length 3986.7
  Top Layer w10: P14.1@2360,2510 2401,2469 2401,2405
  Top Layer w25: 1522,2470 C27.2@1761.48,2470 C30.2@1894,2470 2166,2470 2191,2445 2266.03,2445 U12.3@2267.03,2444 2336,2444 2375,2405 2401,2405 C43.1@2458,2405 2538,2405 ; 2539,2406 C42.2@2597,2406 2934,2406 3094,2566 U14.2@3094,2614
  Top Layer w30: U11.2@209,1355 900,1355 1272,1727 1272,2063 1428.48,2219.48 L2.2@1428.48,2345.12
  Bottom Layer w15: C35.2@92,1358 U11.2@209,1358 U11.2@203,1352
  Bottom Layer w20: U14.2@3094,2614 C41.1@3094,2741
-5V_PRI_1: C31.2 C39.2 C51.2 C54.2 P18.1 U6.4 U14.8 U17.4 U19.4 | length 6486.3
  Top Layer w10: U17.4@2433,2601.6 C51.2@2542.4,2601.6 ; v6(4794,2207) 4794,1937 5037,1694 5717,1694 ; v4(5717,1619) 5717,1694 ; v4(5729,1735) 5729,1723 5717,1711 5717,1694
  Top Layer w15: C51.2@2545,2599 2759.56,2599 2846.56,2686 3624,2686 3694,2616 U14.8@3694,2614
  GND1 w10: U14.8@3694,2614 3759,2614 3972,2401 v1(4602,2401) 4602,2399 v6(4794,2207)
  Bottom Layer w10: P18.1@3200,2363 3214,2377 3528,2377 3694,2543 U14.8@3694,2614 ; v4(5717,1619) 5818,1619 6217,1220 6217,1102 6075,960 C31.2@6075,441 ; v4(5729,1735) U19.4@5729,1791.84 ; U19.4@5729.41,1792.25 U19.4@5732.41,1789.25 ; 6077,477 v4(6113,477) U6.4@6147.61,477
  Bottom Layer w15: C39.2@3687,2730 3687,2677 3698.38,2665.62 3698.38,2618.38 U14.8@3694,2614 ; U19.4@5729.41,1792.25 v1(5771,1792.25) C54.2@5809,1792.25
ADC0_A: P7.27 P7.28 P46.1 R33.2 | length 5109.6
  Top Layer w12: v1(1532,2196) 1581,2245 1910,2245 2116,2039 2640,2039 2782,2181 3086,2181 3421,2516 4460,2516 v1(4489,2545)
  Bottom Layer w12: R33.2@766,2073 876,2073 910,2107 1375,2107 1464,2196 v1(1532,2196) ; v1(4489,2545) 5114,2545 5191,2622 P7.27@5191,2694 P7.28@5191,2794 ; 5177,2608 P46.1@5258,2527
ADC1_A: P7.25 P7.26 P41.1 R43.2 | length 1807.3
  Top Layer w12: R43.2@3682.5,2364 4884,2364 5091,2571 P7.25@5091,2694 P7.26@5091,2794 ; 5049.78,2518.5 P41.1@5113.5,2454.78
ADC2_A: P7.23
ADC2_B: P7.24
ADC3_A: P7.21 P7.22 P42.1 R50.2 U19.1 | length 1871.3
  Top Layer w12: P7.22@4891,2794 P7.21@4891,2694 4891,2493 v1(4918,2466)
  Bottom Layer w12: v1(4918,2466) 4991,2393 5258,2393 5347,2482 5668,2482 5684,2466 ; U19.1@5654.6,1886.25 R50.2@5654.6,2010.85 ; R50.2@5657,2013.25 5657,2169 5706,2218 5706,2444 5684,2466 ; P42.1@5763,2482 5704,2482 5688,2466 5684,2466
ADC4_A: P7.19 P7.20 P43.1 R38.2 U17.1 | length 3065.8
  Top Layer w10: R38.2@2165,2725 2220,2725 2244,2701 ; U17.1@2339,2676.4 2268.6,2676.4 2244,2701 ; P7.20@4791,2794 4745,2748 4745,2740 ; P43.1@4804,2483 4804,2681 P7.19@4791,2694 4745,2740 ; 2244,2701 2283,2740 4745,2740
ADC5_A: P7.17 P7.18 P44.1 U1.7 | length 5296.5
  Top Layer w12: U1.7@493,873.05 493,1088 680,1275 967,1275 1651,1959 2664,1959 2816,2111 3126,2111 3473,2458 4546,2458 4691,2603 P7.17@4691,2694 ; 4624,2530 P44.1@4670,2484
  Bottom Layer w12: P7.17@4691,2694 P7.18@4691,2794
ADC6_A: P7.15 P7.16 P45.1 U2.6 | length 4235.2
  Top Layer w12: v1(1634,2123) 1647,2110 1857,2110 ; P45.1@1857,2163 1857,2110 ; P7.15@4591,2694 4591,2571 v4(4510,2490) 3452,2490 3106,2144 2803,2144 2653,1994 2069.37,1994 1953.37,2110 1857,2110
  Bottom Layer w12: U2.6@1082.39,2191 1082.39,2242.39 1095,2255 1582,2255 1634,2203 v1(1634,2123) ; P7.15@4591,2694 P7.16@4591,2794
ADC7_A: P7.13
ADC7_B: P7.14
ADC_SYNC: P28.1 R2.2 T2.2 U6.2 | length 764.1
  Top Layer w15: v1(6451,426) T2.2@6556,426
  Bottom Layer w15: U6.2@6198.79,477 6198.79,427.21 6208,418 6443,418 v1(6451,426) ; P28.1@6451,132 v1(6451,426) ; R2.2@6451,482 v1(6451,426)
ANALOG_3.3V: C40.2 C56.2 P24.1 R45.2 U13.5 U20.1 | length 1979
  Top Layer w15: U13.5@2934,1349.8 v5(3037.2,1349.8) ; U20.1@3280.5,1301.3 v5(3313,1301.3) C56.2@3361.7,1301.3 ; C56.2@3362,1301 4114,1301 4489,1676 v4(4489,1696)
  Bottom Layer w15: C40.2@2964.8,1349.8 v5(3037.2,1349.8) 3054,1333 3281.3,1333 v5(3313,1301.3) ; 3159,1335 P24.1@3159,1419 ; v4(4489,1696) R45.2@4529,1696
ANALOG_5V: C44.2 C57.2 C58.2 C59.2 P7.30 P7.32 P7.34 P7.36 P25.1 U12.2 | length 2924.7
  Top Layer w25: U12.2@2267.03,2354 2270.35,2357.32 v5(2371.75,2357.32)
  Top Layer w30: U12.2@2019,2354 2019,2253 2103,2169 C44.2@2166.5,2169
  POWER1 w25: v5(2371.75,2357.32) 2550.32,2357.32 2913,2720 3831.97,2720
  Bottom Layer w15: C59.2@5426,2588 5489,2588 5489,2613 5479,2623 5456,2623 5443,2636 5443,2794 ; P7.36@5591,2794 5641,2744 5641,2644 5657,2628 v4(5657,2587) ; C58.2@5609,2587 v4(5657,2587) ; C57.2@5698,2587 v4(5657,2587)
  Bottom Layer w30: P7.30@5291,2794 P7.32@5391,2794 5443,2794 P7.34@5491,2794 P7.36@5591,2794
DIGITAL_5V: P7.37 P7.39 P7.41 P7.43 | length 300
  Top Layer w15: P7.37@5691,2694 P7.39@5791,2694 P7.41@5891,2694 P7.43@5991,2694
NetC2_1: C2.1 U1.6 | length 121.9
  Top Layer w15: C2.1@538,992 537,991 537,952 543,946 U1.6@543,873.05
NetC3_1: C3.1 C19.2 P48.1 T2.11 | length 117.7
  Top Layer w14: P48.1@5982,124 5982,241.67
  other v2: 6118.6,236 6154,236 6189.4,236 6224.8,236 6260.2,236 6295.6,236 6085.6,237 6118.4,263 6153.8,263 6189.2,263 6224.6,263 6260,263 6295.4,263 6085.4,264 6118.4,288 6153.8,288 6189.2,288 6224.6,288 6260,288 6295.4,288 6085.4,289 6118.6,319 6154,319 6189.4,319 6224.8,319 6260.2,319 6295.6,319 6085.6,320 5380.2,329 5415.6,329 5451,329 5486.4,329 5521.8,329 5557.2,329 6118.4,346 6153.8,346 6189.2,346 6224.6,346 6260,346 6295.4,346 6085.4,347 5380,356 5415.4,356 5450.8,356 5486.2,356 5521.6,356 5557,356 5380,381 5415.4,381 5450.8,381 5486.2,381 5521.6,381 5557,381 5378.2,449 5413.6,449 5449,449 5484.4,449 5519.8,449 5555.2,449 5378,476 5413.4,476 5448.8,476 5484.2,476 5519.6,476 5555,476 5378,501 5413.4,501 5448.8,501 5484.2,501 5519.6,501 5555,501
  other v4: 6039.2,236 6006.2,237 5973.2,238 5940.2,239 6039,263 6006,264 5973,265 5940,266 6039,288 6006,289 5973,290 5940,291 6039.2,319 6006.2,320 5973.2,321 5940.2,322 6039,346 6006,347 5973,348 5940,349 6039,371 6118.4,371 6153.8,371 6189.2,371 6224.6,371 6260,371 6295.4,371 6006,372 6085.4,372 5973,373 5940,374